# KiCad board stereoBoy_MGB.kicad_pcb (continued)
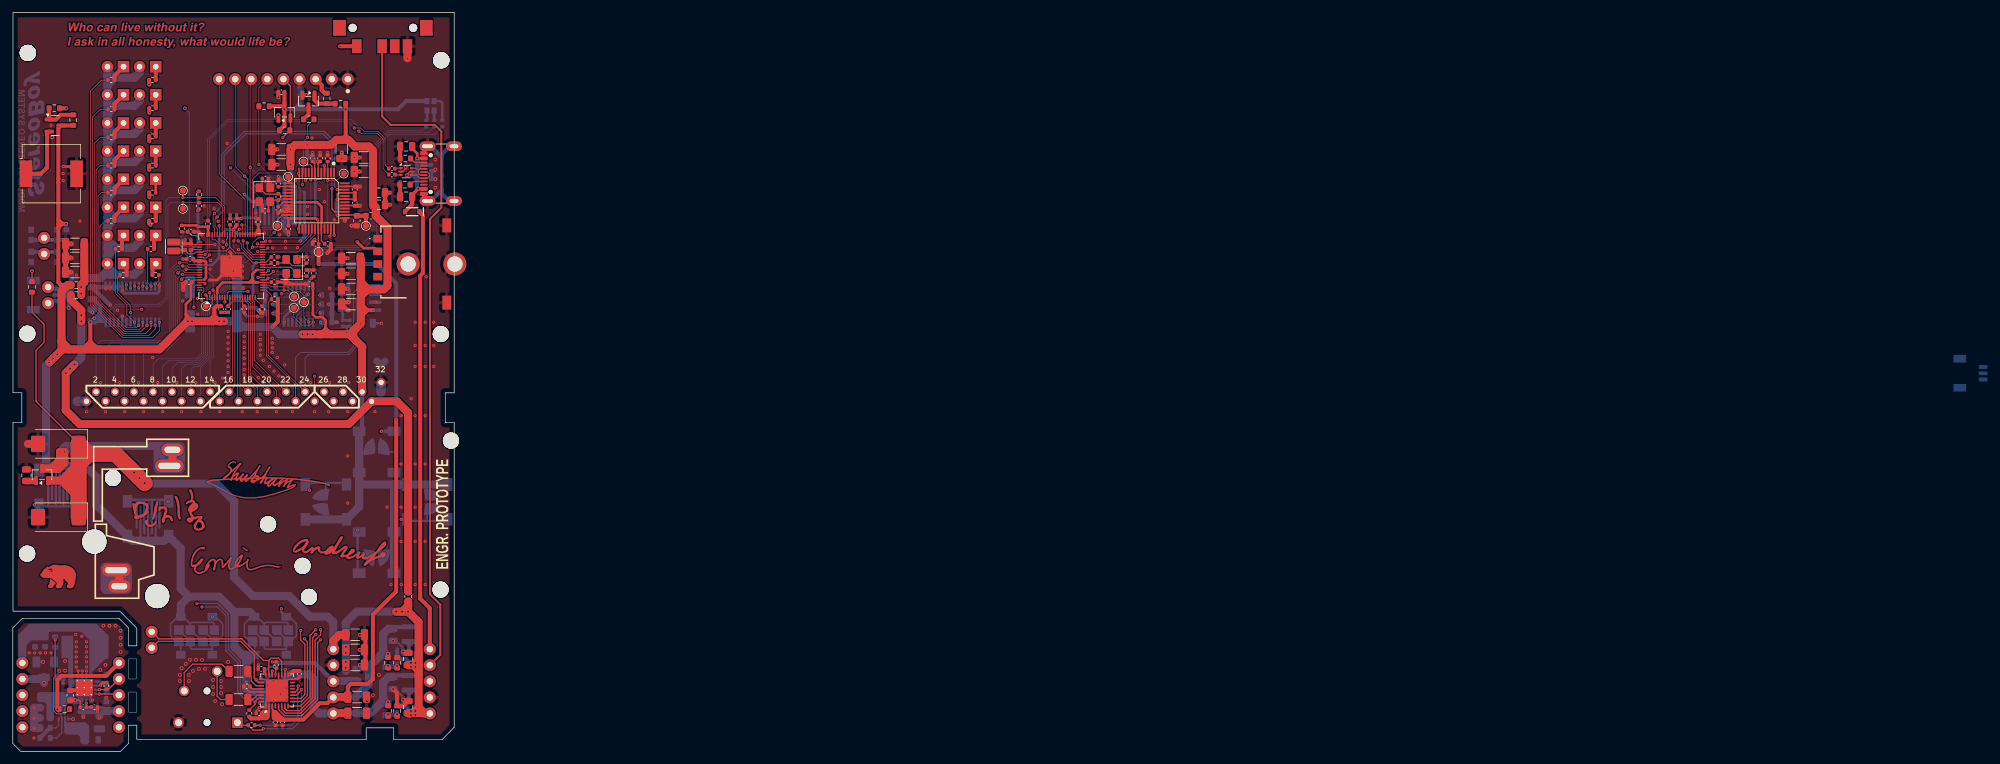
[diagram p0: board, top side]
## Routing (per net, layer and track width the routed paths; a pad name or vN(x,y) marks a point on that pad's centre or on a via; arc(x,y) is an arc through that point) (continued)
  Top w0.102: U11.21 40.01,72.88 40.81,72.07 R48.2 40.34,70.96 40.34,62.6 J3.24
  Top w0.203: U10.10 45.48,8.37 46.1,8.98 46.1,16.94 45.42,17.62 45.42,19.05 v1(45.45,19.09)
  In1.Cu w0.102: J3.24 46.14,51.04 43.67,48.58 43.67,20.87 v1(45.45,19.09)
  Bottom w0.152: 57.19,72.23 54.94,72.23 54.15,71.44 54.15,63.82 53,62.67 46.65,62.67 46.14,62.16 J3.24
I2C0_SDA: length 99.3
  Top w0.102: U11.20 38.26,71.45 R47.1 40.02,69.69 40.02,62.48 44.64,57.87 J3.23
  Top w0.203: v1(46.05,17.78) 46.51,17.33 46.51,8.82 45.56,7.87 U10.9
  In1.Cu w0.102: J3.23 44.64,49.97 43.37,48.7 43.37,20.46 v1(46.05,17.78)
  Bottom w0.152: J3.23 44.64,62.24 45.42,63.02 52.85,63.02 53.79,63.96 53.79,72.51 54.78,73.5 U14.5
I2C1_SCL: length 40.6
  Top w0.102: TP1.1 v1(26.84,86.68) R46.2 32.4,86.68 33.06,86.01 U11.54
  Bottom w0.102: v1(26.84,86.68) 24.94,86.68 24.48,86.22 24.48,71.61 23.2,70.34 16.38,70.34 15.97,69.93 15.97,67.52
I2C1_SDA: length 42.7
  Top w0.102: TP2.1 v1(26.84,87.47) R45.1 32.03,87.47 33.46,86.04 U11.53
  Bottom w0.102: 15.32,67.52 15.32,69.72 16.25,70.64 23.08,70.64 24.17,71.74 24.17,86.98 24.66,87.47 v1(26.84,87.47)
I2S_BCLK: length 93.9
  Top w0.102: v1(45.71,89.54) U1.11
  Top w0.203: U10.7 42.95,6.75 43.26,6.44 45.27,6.44 47.31,8.48 47.31,17.95 v1(47.84,18.47)
  In1.Cu w0.102: v1(47.84,18.47) 48.66,18.47 52.14,21.95 J3.28 52.14,81.81 45.71,88.24 v1(45.71,89.54)
I2S_DIN: length 102.4
  Top w0.102: U1.12 45.21,91.38 v1(45.11,91.28)
  Top w0.203: U10.5 41.95,6.6 42.92,5.63 45.6,5.63 48.12,8.15 48.12,17.15 v1(48.59,17.62)
  In1.Cu w0.102: v1(48.59,17.62) 53.64,22.67 J3.29 53.64,81.88 54.31,82.55 54.31,89.69 52.72,91.28 v1(45.11,91.28)
I2S_MCLK: length 82.4
  Top w0.152: v1(45.11,82.55) U1.25
  Top w0.203: U10.8 45.43,7.17 46.91,8.65 46.91,18.32 v1(47.8,19.21)
  In1.Cu w0.102: v1(47.8,19.21) 49.14,20.55 J3.26 49.14,81.53 48.12,82.55 v1(45.11,82.55)
I2S_WSEL: length 82.5
  Top w0.203: v1(48.59,19.21) 48.59,18.41 47.72,17.54 47.72,8.31 45.44,6.03 43.09,6.03 42.45,6.68 U10.6 ; v1(50.72,81.53) 50.72,82 50.71,82.02 U1.36
  In1.Cu w0.102: v1(48.59,19.21) 50.64,21.25 J3.27 50.64,81.45 v1(50.72,81.53)
LEDDRV_OE: length 16.9
  Top w0.102: U11.77 30.15,74.08 v1(30.34,73.89)
  In1.Cu w0.102: v1(30.34,73.89) 28.82,73.89 24.77,69.84 v1(20.33,69.84)
  Bottom w0.102: U2.23 17.92,69.5 18.26,69.84 v1(20.33,69.84)
LEDK: length 15.8
  Top w0.102: v1(46.53,97) 46.53,98.84 R28.2
  Bottom w0.152: J1.2 45.34,88.82 45.18,88.99 45.18,90.61 45.86,91.29 45.86,96.33 v1(46.53,97)
LOW_BATT: length 91.4
  Top w0.152: v1(33.46,71.02) U11.8
  In2.Cu w0.102: v1(33.46,71.02) 36.25,73.81 41.91,73.81 42.58,74.48 45.23,74.48 46.05,73.66 55.42,73.66 64.31,64.77 64.31,12.56 65.82,11.04
LOW_BATT_MODULE: length 3.6
  Top w0.203: v1(13.67,9.05) 16.59,9.05 J10.3
  Bottom w0.203: U3.12 13.63,9.08 v1(13.67,9.05)
MICBIAS: length 13.9
  Top w0.203: v1(39.07,4.13) 38.34,4.13 ; U10.12 44.57,9.37 45,9.8 45,10.29 v1(45.05,10.35)
  Bottom w0.203: v1(39.07,4.13) 43.99,4.13 45,5.14 45,10.29 v1(45.05,10.35)
MICDET: length 17.9
  Top w0.203: U10.11 44.76,8.87 45.55,9.66 v1(45.55,9.78) ; v1(39.56,3.58) 39.34,3.35 37.94,3.35 R53.1 35.87,4.13 J5.1
  Bottom w0.203: v1(45.55,9.78) 45.55,4.96 44.17,3.58 v1(39.56,3.58)
NRST: length 74.8
  Top w0.102: v1(37,80.33) 37,79.41 37.94,78.48 U11.35 ; v1(47.64,59.27) J3.25
  In1.Cu w0.102: v1(37,80.33) 37,75.32 42.08,70.24 42.08,64.84 45.35,61.57 45.35,61.56 v1(47.64,59.27)
  In2.Cu w0.102: 35.41,81.74 32.89,81.74 30.35,84.28 7.3,84.28 6.2,83.19 v1(6.2,80.8) ; 35.41,81.74 36.38,81.74 37,81.12 v1(37,80.33) ; 35.41,81.74 35.49,81.74
  Bottom w0.635: R27.1 8.38,80.79 SW1.2 5.28,80.79 J4.1 4.62,80.79 SW1.2
POT: length 28.7
  Top w0.102: v1(32.56,83.05) 32.66,82.95 U11.55
  Top w0.406: v1(54.35,80.51) 55.35,79.51 57.09,79.51 VR1.2
  In2.Cu w0.102: v1(54.35,80.51) 54.33,80.49 49.54,80.49 46.37,83.66 33.18,83.66 v1(32.56,83.05)
PWR_EN: length 107.9
  Top w0.305: 65.82,13.58 67.48,15.24 67.48,23.18 65.85,24.81 65.85,84.09 67.64,85.88 67.64,97.95 66.61,98.98 59.62,98.98 58.3,100.31 SW3.P$C
PWR_EN_MODULE: length 4.2
  Top w0.203: v1(13.67,9.77) 14.7,9.77 R54.1 15.16,9.84 J10.4
  Bottom w0.203: v1(13.67,9.77) 13.64,9.73 U3.11
QSPI_CS: length 55.9
  Top w0.102: v1(26.68,74.62) 26.93,74.88 U11.75
  In1.Cu w0.102: v1(26.68,74.62) 24.13,72.07 14.14,72.07 7.3,78.91 v1(6.2,78.91)
  Bottom w0.102: J3.7 20.64,62.69 21.32,63.38 24.34,63.38 26.31,65.35 26.31,74.24 26.68,74.61
  Bottom w0.635: SW2.2 4.79,78.91 4.94,79.06 5.08,78.91 SW2.2 v1(6.2,78.91)
QSPI_CS1: length 33.8
  Top w0.102: v1(33.21,79.58) 31.99,80.8 31.6,80.8 31.46,80.95 U11.58
  Bottom w0.102: J3.9 23.64,60.77 24.58,61.71 28.99,61.71 30.12,62.84 30.12,70.67 32.72,73.27 32.72,76.59 33.21,77.09 v1(33.21,79.58)
QSPI_IO0: length 31
  Top w0.102: U11.72 27.45,76.08 v1(27.35,76.18)
  Bottom w0.102: J3.4 16.14,63.27 17.16,64.29 23.96,64.29 25.39,65.73 25.39,75.65 25.92,76.18 v1(27.35,76.18)
QSPI_IO1: length 27.1
  Top w0.102: U11.74 26.83,75.28 v1(26.76,75.35)
  Bottom w0.102: J3.6 19.14,62.96 19.86,63.68 24.21,63.68 26,65.47 26,74.66 26.69,75.35 v1(26.76,75.35)
QSPI_IO2: length 30.7
  Top w0.102: U11.73 27.14,75.68 26.91,75.9 26.39,75.9 v1(26.08,75.59)
  Bottom w0.102: v1(26.08,75.59) 25.7,75.21 25.7,65.6 24.08,63.99 18.6,63.99 17.64,63.02 J3.5
QSPI_IO3: length 35.1
  Top w0.102: U11.70 27.79,76.88 27.48,77.18 v1(26.33,77.18)
  Bottom w0.102: J3.2 13.14,64.08 13.98,64.93 23.73,64.93 24.78,65.98 24.78,76.06 25.9,77.18 v1(26.33,77.18)
QSPI_SCK: length 34.6
  Top w0.102: v1(26.85,76.68) 27.56,76.68 27.76,76.48 U11.71
  Bottom w0.102: J3.3 14.64,63.68 15.58,64.62 23.85,64.62 25.08,65.85 25.08,75.84 25.92,76.68 v1(26.85,76.68)
RGB_B: length 43.6
  Top w0.152: v1(41.13,75.84) 40.57,75.28 U11.27
  Bottom w0.102: v1(41.13,75.84) 44.37,75.84 48.5,79.96 54.99,79.96 56.85,81.82 56.85,95.63 59.32,98.11 64.69,98.11 R17.2
RGB_G: length 46.8
  Top w0.152: v1(38.7,74.88) U11.26
  Bottom w0.102: v1(38.7,74.88) 39.14,75.31 44.27,75.31 48.57,79.61 55.59,79.61 57.15,81.17 57.15,95.51 59.45,97.8 65.66,97.8 R18.2
RGB_R: length 47.1
  Top w0.2: U11.25 40.01,74.48 v1(40.27,74.74)
  Bottom w0.102: v1(40.27,74.74) 44.13,74.74 48.64,79.25 56.18,79.25 57.45,80.52 57.45,95.38 59.56,97.49 66.61,97.49 R19.2
SD_CS: length 24
  Top w0.102: 22.08,56.67 22.14,56.73 J3.8 ; v1(29.82,71.28) 29.82,71.28 29.82,72.35 30.16,72.7 30.16,73.12 30.01,73.28 U11.79
  Bottom w0.102: J3.8 22.14,61.17 22.97,62.01 28.86,62.01 29.82,62.96 29.82,71.27 29.82,71.28 29.82,71.28 v1(29.82,71.28)
SD_DETECT: length 30.3
  Top w0.102: U11.52 33.86,80.95 33.74,80.83 v1(33.74,80.05)
  Bottom w0.102: J3.10 25.14,60.52 26.02,61.41 29.12,61.41 30.42,62.71 30.42,70.55 33.02,73.14 33.02,76.47 33.73,77.18 33.73,80.04 v1(33.74,80.05)
SPI0_CS: length 31.6
  Top w0.102: J6.4 38.84,104.87 R24.2 38.84,92.72 v1(38.85,92.71) ; v1(36.16,83.16) 36.26,83.06 U11.46
  Bottom w0.102: v1(36.16,83.16) 36.71,83.16 37.09,82.78 41.01,82.78 41.14,82.91 J1.8 41.14,90.42 v1(38.85,92.71)
SPI0_MISO: length 26.3
  Top w0.102: U11.45 36.66,87.18 32.57,91.27 32.57,106.2
SPI0_MOSI: length 32.4
  Top w0.102: U11.44 37.06,90.43 v1(36.61,90.88) 35.11,92.38 35.11,106.08
  Bottom w0.102: J1.10 39.74,87.75 v1(36.61,90.88)
SPI0_SCK: length 33.2
  Top w0.102: 37.65,106.33 37.46,106.14 U11.43
  Bottom w0.102: v1(37.48,92.23) 40.44,89.27 J1.9
SPI1_MISO: length 37.4
  Top w0.102: v1(38.63,78.98) 38.73,78.88 U11.36 44.94,78.88 47.71,81.64 U1.30
  Bottom w0.102: 31.25,56.8 J3.14 31.14,61.71 31.38,61.95 31.38,61.96 31.63,62.21 31.63,70.04 34.23,72.64 34.23,75.97 35.44,77.18 36.83,77.18 v1(38.63,78.98)
SPI1_MOSI: length 39.4
  Top w0.102: U1.29 47.21,81.71 45.57,80.08 U11.39 38.73,80.08 v1(38.63,80.18)
  Bottom w0.102: J3.13 29.64,60.64 31.07,62.08 31.07,62.08 31.33,62.34 31.33,70.17 33.93,72.77 33.93,76.1 35.32,77.49 36.38,77.49 38.63,79.73 v1(38.63,80.18)
SPI1_SCK: length 40.3
  Top w0.102: U11.38 38,79.68 37.97,79.65 v1(37.84,79.65) 37.84,80.28 38.68,81.12 46.19,81.12 46.71,81.64 U1.28
  Bottom w0.102: J3.12 28.14,60.35 28.59,60.8 29.37,60.8 31.03,62.46 31.03,70.29 33.63,72.89 33.63,76.22 35.19,77.79 35.98,77.79 v1(37.84,79.65)
SR_CLK: length 11.7
  Top w0.102: v1(46.72,67.83) 45.95,68.61 TP24.1 45.95,72.02 45.36,72.61 44.24,72.61 43.46,73.38 40.7,73.38 40.4,73.68 U11.23
SR_OUT: length 6.2
  Top w0.102: TP12.1 43.38,72.88 v1(42.81,72.88) 40.7,72.88 40.3,73.28 U11.22
  Bottom w0.2: v1(42.81,72.88) 42.82,72.89 U6.9
SR_SH/LD: length 23.1
  Top w0.102: v1(37.13,72.67) 34.11,72.67 33.86,72.43 U11.9 ; TP23.1 44.35,68.61 45.63,67.33 46.95,67.33 v1(47.42,67.81)
  In2.Cu w0.102: v1(37.13,72.67) 37.96,73.51 43.13,73.51 47.37,69.26 47.37,67.85 v1(47.42,67.81)
SWCLK: length 47.5
  Top w0.102: U11.33 37.88,77.68 36.06,79.49 36.06,80.1 36.07,80.1 36.07,80.15 v1(35.57,80.65)
  In2.Cu w0.102: J8.2 8.41,73.65 8.41,80.47 11.62,83.68 30.1,83.68 32.64,81.14 35.08,81.14 v1(35.57,80.65)
  Bottom w0.635: J2.1 5.84,71.07 J8.2
SWDIO: length 45.5
  Top w0.102: U11.34 37.91,78.08 36.37,79.62 36.37,79.98 36.37,79.98 v1(36.37,80.65)
  In2.Cu w0.102: J8.1 8.11,75.88 8.11,80.6 11.49,83.98 30.22,83.98 32.76,81.44 35.58,81.44 v1(36.37,80.65)
  Bottom w0.635: J8.1 5.84,73.07 J2.3
TFTDC_3V: length 9.4
  Top w0.102: v1(35.76,82.47) 35.46,82.18 U11.48
  Bottom w0.102: J1.7 41.84,82.95 41.37,82.47 v1(35.76,82.47)
TFTRST_3V: length 52.3
  Top w0.102: v1(30.45,72.11) 30.66,71.89 U11.1
  Top w0.203: v1(42.62,97) R34.2 43.83,98.2 U5.2 43.83,105.09 J6.5
  In1.Cu w0.102: v1(42.62,97) 40.02,97 39.17,97 30.98,88.81 30.98,79.84 31.78,79.04 31.78,74.19 30.45,72.85 v1(30.45,72.11)
  Bottom w0.102: J1.11 39.04,87.49 v1(34.36,92.18)
USB_DM: length 4.5
  Top w0.152: J7.A7 65.46,91.53 65.74,91.25 65.74,90.81 65.46,90.53 J7.B7 64.26,90.53 63.73,91.06 U12.4
USB_DM_STM32: length 56.3
  Top w0.102: R15.1 58.45,92.02 58.45,96.71 57.53,97.63 54.98,97.63 v1(54.62,97.99)
  Top w0.152: U11.66 30.34,78.48 v1(30.36,78.5)
  Bottom w0.102: v1(54.62,97.99) 54.62,98.58 53.35,99.85 33.88,99.85 30.72,96.69 30.72,78.85 v1(30.36,78.5) 30.68,78.82
USB_DP: length 3.6
  Top w0.152: 64.03,91.75 63.65,92.14 U12.6 ; 64.03,91.75 64.03,91.31 64.31,91.03 J7.A6 ; 64.03,91.75 64.31,92.03 J7.B6
USB_DP_STM32: length 55.1
  Top w0.102: R14.1 58.75,92.67 58.75,96.84 57.65,97.93 55.47,97.93 54.91,98.49 v1(53.9,98.49)
  Top w0.152: U11.67 30.03,78.08 30.14,77.97 30.58,77.97 v1(31.06,78.44)
  Bottom w0.102: v1(31.06,78.44) 31.02,78.44 31.02,78.45 31.02,96.57 34,99.55 52.84,99.55 v1(53.9,98.49)
Net-(BZ1-+): length 9.6
  Top w0.635: BZ1.1 4.43,91.25 5.41,92.23 5.41,97.59 Q1.2
Net-(C8-Pad1): length 7.5
  Bottom w0.203: U7.7 U7.2 8.23,4.16 8.85,3.55 C8.1
  Bottom w1.27: C8.1 11.35,3.33 L10.1
Net-(C10-Pad1): length 15.9
  Top w0.635: R35.1 v2(59.23,7.78)
  Bottom w0.635: L4.2 60.26,11.98 C30.1
  Bottom w1.27: 58.01,7.56 58.57,8.12 C10.1 ; 58.01,7.56 58.07,7.62 C10.1 ; 58.01,7.56 56.48,6.03 54.11,6.03 ; C10.1 58.46,8.23 58.46,10.91 59.3,11.75 C30.1
Net-(C12-Pad1): length 18.1
  Top w0.635: R37.1 v2(59.23,15.4)
  Bottom w0.635: L5.2 60.32,19.66 C86.1
  Bottom w1.27: 54.11,8.57 56.21,10.67 56.21,13.34 58.11,15.23 C12.1 58.46,15.84 58.46,18.53 59.3,19.36 C86.1
Net-(C21-Pad2): length 5.4
  Top w0.152: R26.1 42.59,77.15 Y2.3 44.13,76.73 45.93,76.73 C21.2
Net-(D1-K): length 2.1
  Top w0.635: D1.1 R32.2
Net-(D2-K): length 2.1
  Top w0.635: D2.1 R58.2
Net-(D3-K): length 2.1
  Top w0.635: D3.1 R59.2
Net-(D4-K): length 2.3
  Top w0.635: D4.1 R60.2
Net-(D5-K): length 2.1
  Top w0.406: R61.2 D5.1
Net-(D6-K): length 2.1
  Top w0.635: D6.1 R62.2
Net-(D7-K): length 2.2
  Top w0.635: D7.1 22.31,81.25 R63.2
Net-(D8-K): length 2
  Top w0.635: R64.2 22.05,76.55 D8.1
Net-(D9-K): length 2.7
  Top w0.635: R65.2 16.05,106.74 D9.1
Net-(D10-K): length 2.9
  Top w0.635: R66.2 16.05,102.3 D10.1
Net-(D11-K): length 2.9
  Top w0.635: R67.2 16.05,97.85 D11.1
Net-(D12-K): length 2.9
  Top w0.635: D12.1 16.05,93.41 R68.2
Net-(D13-K): length 2.7
  Top w0.635: R69.2 16.05,88.96 D13.1
Net-(D14-K): length 2.7
  Top w0.635: D14.1 16.05,84.52 R70.2
Net-(D15-K): length 2.2
  Top w0.635: D15.1 17.23,81.25 R71.2
Net-(D16-K): length 2
  Top w0.635: R72.2 17.95,76.58 D16.1
Net-(D17-Pad2): length 1.6
  Bottom w0.406: R17.1 65.39,99.82 D17.2
Net-(D17-Pad3): length 1.6
  Bottom w0.406: R18.1 66.49,99.74 D17.3
Net-(D17-Pad4): length 4.2
  Bottom w0.406: R19.1 67.8,102.39 67.45,102.74 D17.4
Net-(D23-A): length 2.4
  Bottom w0.406: D23.2 6.68,14.29 R73.1
Net-(J7-CC1): length 2.4
  Top w0.203: J7.A5 63.22,90.03 R16.1
Net-(J7-CC2): length 2.4
  Top w0.2: J7.B5 63.41,93.03 R33.1
Net-(Q1-G): length 5.9
  Top w0.635: R2.2 5.73,99.84 Q1.1 6.81,99.82 7.54,100.55 9.54,100.55
Net-(Q2-D): length 31.4
  Top w1.27: +0.P$2 25.19,45.58 +0.P$3 ; 7.45,46.05 6.05,44.64 7.19,44.64 8.15,45.6 v1(8.15,47.31) v1(7.45,47.31) 7.45,46.05
  Bottom w1.27: 9.1,48.26 22.81,48.26 +0.P$1 ; 9.1,48.26 8.4,48.26 v1(7.45,47.31) v1(8.15,47.31) 9.1,48.26
Net-(Q3-D): length 2.3
  Top w0.635: Q3.3 46.69,101.77 46.69,100.65 R28.1
Net-(Q3-G): length 4.3
  Top w0.635: R29.1 50.87,102.33 R31.1 48.18,102.33 47.62,102.89 Q3.1
Net-(R14-Pad2): length 1
  Top w0.152: R14.2 60.37,92.14 U12.1
Net-(R15-Pad2): length 1
  Top w0.152: U12.3 60.37,91.06 R15.2
Net-(SPK_CONN1-Pin_1): length 26.9
  Top w0.203: U10.26 38.83,10.87 38.4,11.3 v1(38.4,11.3) 38.11,11.58 38.11,15.24 35.98,17.38 22.95,17.38 SPK_CONN1.1 ; v1(40.95,12.67) U10.22
  Bottom w0.406: v1(40.95,12.67) 40.95,12.2 39.7,10.95 38.75,10.95 38.4,11.3 v1(38.4,11.3)
Net-(SPK_CONN1-Pin_2): length 27.2
  Top w0.203: 40.39,14.35 39.58,14.35 36.15,17.78 23.03,17.78 SPK_CONN1.2 ; 40.39,14.35 40.39,12.12 U10.23 ; 40.39,14.35 40.77,14.72 41.96,14.72 42.45,14.23 U10.19
Net-(SW3-1): length 86
  Top w0.203: v2(3.03,75.88) R23.2
  Top w0.635: v1(51.65,111.4) SW3.P$1
  In1.Cu w0.203: v1(51.65,111.4) 7.27,111.4 3.03,107.16 v2(3.03,75.88)
Net-(U1-XTALI): length 4.6
  Top w0.203: U1.18 42.08,87.25 R51.1 40.86,87.09 Y1.3 40.34,86.57 C4.2
Net-(U1-XTALO): length 6.8
  Top w0.203: C3.2 39.38,89.51 Y1.1 39.91,88.03 41.85,88.03 R51.2 42.28,87.75 U1.17
Net-(U2-LED0): length 35.2
  Top w0.635: v1(21.54,105.34) R32.1
  In1.Cu w0.102: v1(17.92,73.71) 17.92,75.38 18.62,76.07 18.62,104.8 19.16,105.34 v1(21.54,105.34)
Net-(U2-LED1): length 30.7
  Top w0.635: v1(21.54,100.9) R58.1
  In1.Cu w0.102: v1(18.57,73.21) 18.57,75.39 18.92,75.74 18.92,100.19 19.63,100.9 v1(21.54,100.9)
Net-(U2-LED2): length 25.5
  Top w0.635: v1(21.54,96.43) R59.1
  In1.Cu w0.102: v1(21.54,96.43) 19.92,96.43 19.22,95.73 v1(19.22,73.52)
Net-(U2-LED3): length 20
  Top w0.635: v1(21.54,91.88) R60.1
  In1.Cu w0.102: v1(19.87,73.25) 19.87,75.21 20.96,76.3 20.96,91.3 v1(21.54,91.88)
Net-(U2-LED4): length 15.2
  Top w0.635: v1(21.54,87.56) R61.1
  In1.Cu w0.102: v1(21.54,87.56) 21.26,87.29 21.26,76.17 20.52,75.44 v1(20.52,73.51)
Net-(U2-LED5): length 11
  Top w0.635: v1(21.76,83.18) 21.54,83.4 R62.1
  In1.Cu w0.102: v1(21.76,83.18) 21.56,82.98 21.56,76.05 21.13,75.61 21.13,73.25 v1(21.17,73.21)
Net-(U2-LED6): length 6.4
  Top w0.102: v1(21.82,73.5) 21.29,74.04 R63.1
  Bottom w0.152: v1(21.82,73.5) 21.82,73.25
Net-(U2-LED7): length 1.7
  Top w0.102: v1(22.47,73.81) 23.07,74.4 R64.1
Net-(U2-LED8): length 52.1
  Top w0.102: v1(23.12,67.79) 23.12,66.45 22.08,65.41 17.3,65.41 12.24,70.46 12.24,104.3 13.98,106.05 R65.1
Net-(U2-LED9): length 45.6
  Top w0.102: R66.1 13.82,101.44 12.55,100.16 12.55,70.58 17.42,65.71 21.48,65.71 22.47,66.7 v1(22.47,67.31)
Net-(U2-LED10): length 40.1
  Top w0.102: R67.1 13.82,97 12.85,96.02 12.85,70.71 17.55,66.01 20.94,66.01 21.82,66.89 v1(21.82,67.79)
Net-(U2-LED11): length 33.5
  Top w0.102: R68.1 13.82,92.55 13.15,91.88 13.15,70.83 17.67,66.31 20.22,66.31 21.17,67.26 v1(21.17,67.31)
Net-(U2-LED12): length 28.3
  Top w0.102: R69.1 13.98,88.27 13.45,87.73 13.45,70.96 17.8,66.62 19.96,66.62 20.52,67.18 v1(20.52,67.79)
Net-(U2-LED13): length 21.5
  Top w0.102: R70.1 14.62,83.82 13.76,82.96 13.76,71.08 17.92,66.92 19.48,66.92 v1(19.87,67.31)
Net-(U2-LED14): length 13.1
  Top w0.102: v1(19.22,67.79) 18,69.01 18,70.55 16.21,72.34 R71.1
  Bottom w0.152: v1(19.22,67.79) 19.22,67.52
Net-(U2-LED15): length 8.8
  Top w0.102: v1(18.59,69.34) 18.59,70.39 16.51,72.47 16.51,74.82 R72.1
  Bottom w0.152: 18.57,67.52 18.59,67.54 v1(18.59,69.34)
Net-(U3-FB): length 1.9
  Top w0.203: v1(11.6,7.62) 11.6,6.99 R4.2 R13.1
  Bottom w0.203: U3.14 11.61,7.63 v1(11.6,7.62)
Net-(U3-LBI): length 2.8
  Bottom w0.203: R3.1 R1.2 14.25,11.03 U3.9
Net-(U4-FB): length 2.3
  Top w0.635: R35.2 v2(59.23,5.87) ; R36.1 v2(60.66,5.87)
  Bottom w0.635: C10.2 60.51,5.72 U4.5
Net-(U6-~{CE}): length 1.9
  Top w0.406: 47.48,75.02 47.44,75.02 v1(47.09,74.68)
  Bottom w0.406: v1(47.09,74.68) 46.72,74.31 U6.15
Net-(U7-PR1): length 4.8
  Bottom w0.2: R56.1 6.8,3.71 7.23,4.14 U7.4
  Bottom w0.635: R56.1 5.85,3.71 R55.2
Net-(U7-ST): length 14.9
  Top w0.152: v1(6.68,17.62) 6.68,11.79 6.44,11.55 6.44,6.39 6.91,5.92 8.21,5.92 R39.1
  Bottom w0.152: v1(8.83,6.63) U7.8 ; v1(6.68,17.62) R73.2
Net-(U8-FB): length 2.3
  Top w0.635: R37.2 v2(59.23,13.49) ; R38.1 v2(60.66,13.49)
  Bottom w0.635: U8.5 60.5,13.34 C12.2
Net-(U10-HPL): length 3.7
  Top w0.2: U10.27 38.38,10.37 37.64,11.11 37.64,11.75 37.09,12.29 C32.1
Net-(U10-HPR): length 2.4
  Top w0.203: U10.30 38.57,8.87 37.89,8.19 C33.2
Net-(U11-GPIO6): length 2.2
  Top w0.152: U11.3 31.46,70.64 31.14,70.33 TP14.1
Net-(U11-VREG_AVDD): length 3.8
  Top w0.152: R25.2 C14.1 28.22,81.49 29.02,81.49 29.51,80.99 U11.61
Net-(U11-VREG_LX): length 4.4
  Top w0.102: U11.63 29.5,79.69 26.68,79.69 25.92,80.46 L9.2
Net-(U11-XIN): length 7.5
  Top w0.152: 46.37,75.08 45.27,75.08 Y2.1 43.87,76.48 39.42,76.48 U11.30
Net-(U11-XOUT): length 1.5
  Top w0.152: R26.2 40.5,76.88 U11.31

## Copper pours and planes (outline as drawn; the poured copper is in the pictures)
+1V8 on Top (solid shape): 40.85,7.46 41.05,7.46 41.05,6.66 41.2,6.51 41.6,6.51 43.02,5.08 43.02,4.98 42.74,4.7 41.28,4.7 40.85,5.16
+3V3 on Top (solid shape): 40.34,6.99 40.34,6.67 40.18,6.52 39.38,6.52 39.22,6.35 38.96,6.08 38.96,4.92 40.18,4.92 40.56,5.3 40.56,6.99
+3V3 on Bottom (solid shape): 43.85,83.2 43.85,89.81 44.35,89.81 44.69,89.47 44.69,83.2
+3V3 on Bottom (solid shape): 13.9,69.29 14.62,68.58 14.62,67.79 12.24,67.79 12.24,67.95 13.59,69.29
+5V_BUCK on Bottom (solid shape): 9.7,9.21 9.57,9.34 4.07,9.34 3.84,9.11 3.84,8.02 4.08,7.78 4.94,7.78 5.32,7.45 5.3,5.02 5.62,4.74 6.15,4.74 6.49,5.08 6.49,6.79 7,7.3 7.32,7.3 7.61,7.01 7.61,6.51 7.87,6.51 7.87,7.13 8.2,7.46 10.97,7.46 11.13,7.62 11.13,8.46 9.86,8.46 9.7,8.62
+5V_OUT_MODULE on Bottom: 12.71,4.13 13.35,4.76 17.16,4.76 17.48,4.44 17.48,1.59 16.68,0.79 12.71,0.79
GND on Top, Bottom, In1.Cu, In2.Cu: 0.02,116.7 69.67,116.7 69.67,3.81 67.8,1.9 19.57,1.9 19.57,19.45 16.88,22.15 0.02,22.15
GND on Top, Bottom, In1.Cu, In2.Cu: 1.5,21 0,19.5 0,1.25 1.25,0 17,0 18.25,1.25 18.25,19.5 16.75,21
+BATT on Top (solid shape): 5.41,43.34 7.47,43.34 9.7,45.56 10.81,45.56 10.81,39.21 10.49,39.21 7.47,42.23 5.41,42.23
+BATT_MODULE on Bottom (solid shape): 5.57,18.73 5.57,17.78 5.41,17.62 2.87,17.62 1.92,16.67 1.44,16.67 1.44,18.26 2.87,19.69 6.36,19.69
+BATT_MODULE on Bottom (solid shape): 12.12,11.61 12.08,11.65 12.08,17.78 10.97,18.89 10.97,20 11.13,20.16 13.19,20.16 15.09,18.26 15.09,14.76 14.94,14.61 14.62,14.61 12.55,12.54 12.55,11.75 12.42,11.61
Net-(C8-Pad1) on Bottom (solid shape): 8.37,5.24 8.11,5.24 8.11,2.97 8.49,2.64 10.23,2.64 10.65,2.22 10.65,1.43 10.97,1.11 11.77,1.11 12.07,1.43 12.07,3.98 11.44,4.6 8.46,4.6 8.37,4.69
Net-(L1-Pad1) on Bottom (solid shape): 9.52,11.45 9.7,11.27 9.7,10.16 8.9,10.16 8.74,10.32 8.74,14.76 7.79,15.72 7.79,17.78 8.11,18.1 9.52,18.1
Net-(Q2-G) on Top (solid shape): 2.14,43.1 2.14,42.31 3.82,42.31 3.82,43.1
Net-(U4-SW) on Bottom (solid shape): 62.72,8.57 62.72,9.05 63.2,9.53 63.2,9.84 61.93,9.84 61.93,9.53 62.4,9.05 62.4,8.57
Net-(U8-SW) on Bottom (solid shape): 62.72,16.19 62.72,16.67 63.2,17.15 63.2,17.46 61.93,17.46 61.93,17.15 62.4,16.67 62.4,16.19

Small or netless copper shapes (teardrops, artwork), in the pictures only: 61 on Top, 29 on Bottom

## Text on the board
B.Mask: MODULAR STEREO SYSTEM | StereoBoy
B.Silkscreen: ENGINEERING PROTOTYPE | B | R
F.Mask: Who can live without it? / I ask in all honesty, what would life be?
F.Silkscreen: ENGR. PROTOTYPE
